# Altium PCB RFID_DACS-01.PcbDoc (part 1 of 2) (continued)
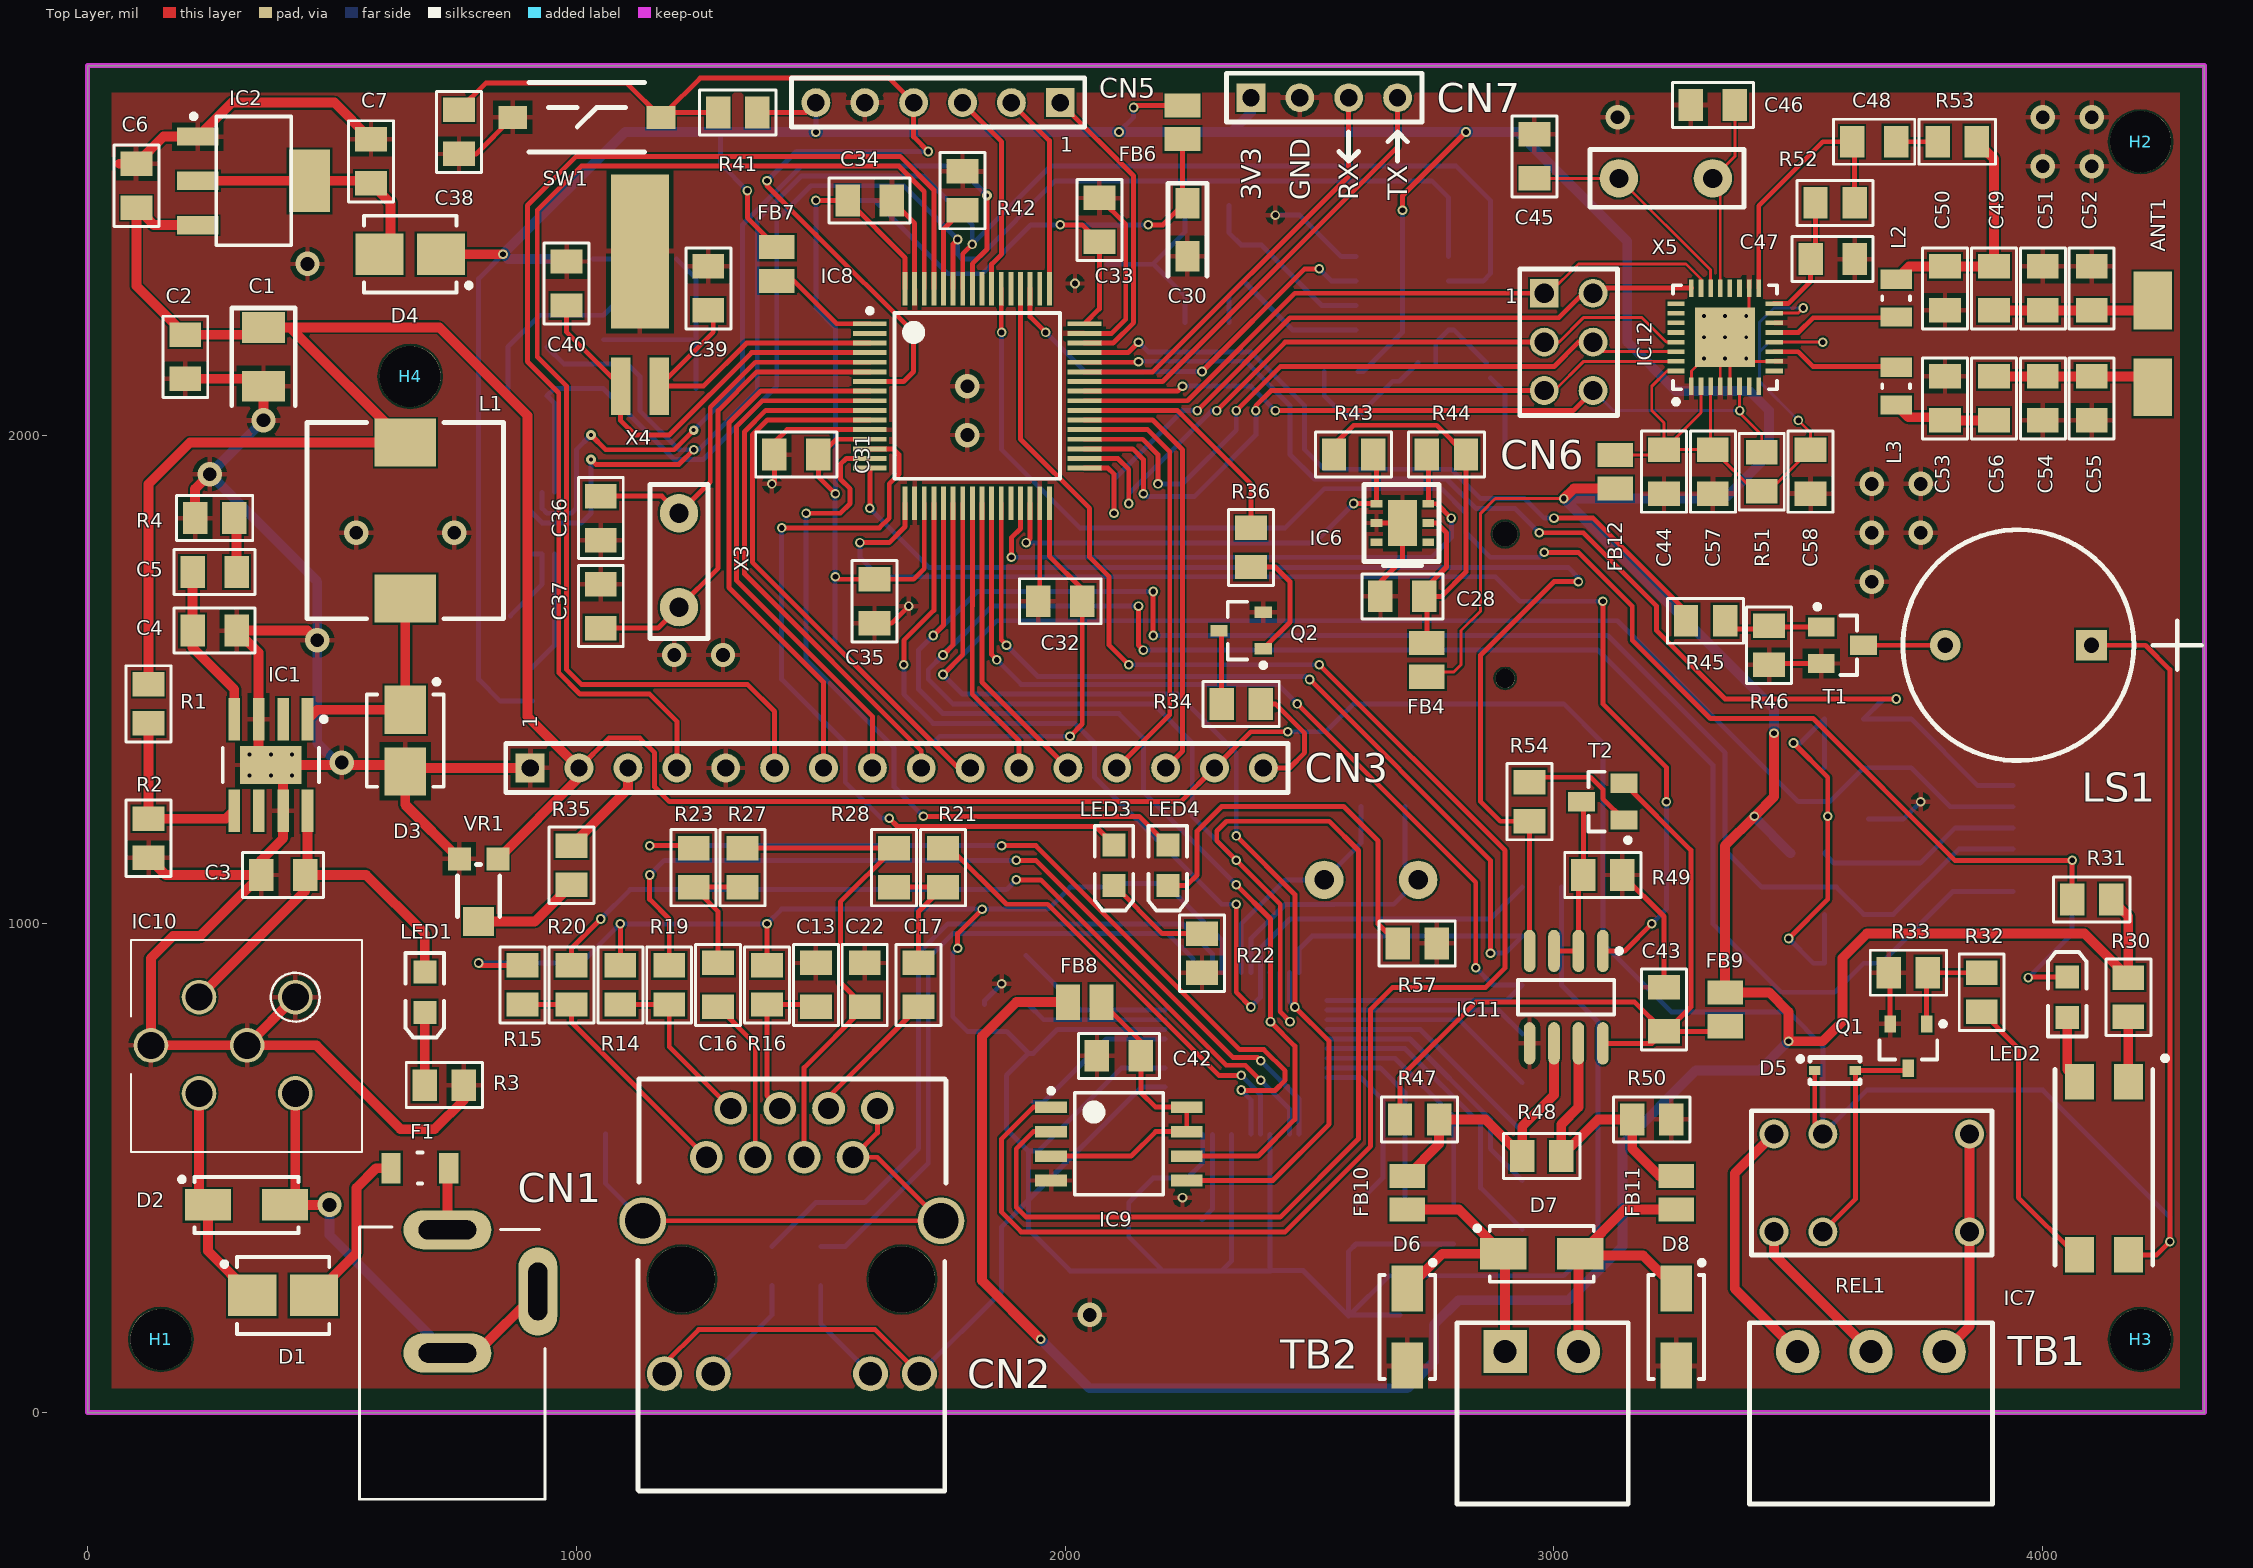
[diagram p0: Top Layer view]
## Components (designator, comment, footprint, x,y, rotation, side; value= is the part's Value field where it differs from the comment) (continued)
R44 "RES" RESC2013X65N_EIA0805 2780,1960 r0 top
R45 "RES" RESC2013X65N_EIA0805 3310,1620 r0 top
R46 "RES" RESC2013X65N_EIA0805 3440,1570 r90 top
R47 "RES" RESC2013X65N_EIA0805 2725,600 r0 top
R48 "RES" RESC2013X65N_EIA0805 2975,525 r0 top
R49 "RES" RESC2013X65N_EIA0805 3100,1100 r0 top
R50 "RES" RESC2013X65N_EIA0805 3200,600 r0 top
R51 "RES" RESC2013X65N_EIA0805 3425,1925 r90 top
R52 "RES" RESC2013X65N_EIA0805 3575,2475 r180 top
R53 "RES" RESC2013X65N_EIA0805 3825,2600 r180 top
R54 "RES" RESC2013X65N_EIA0805 2950,1250 r90 top
R55 "RES" RESC2013X65N_EIA0805 900,2180 r0 bottom
R56 "RES" RESC2013X65N_EIA0805 900,2080 r0 bottom
R57 "RES" RESC2013X65N_EIA0805 2720,960 r0 top
REL1 "HK23F-DC5V-SHG" HUIKE_HK23F-DC5V-SHG 3650,470 r0 top
SB1 "SOLDER_BRIDGE" SOLDER_BRIDGE_0805 2740,2140 r0 bottom
SB2 "SOLDER_BRIDGE" SOLDER_BRIDGE_0805 2870,2130 r270 bottom
SW1 "SWITCH_TACTILE_2PIN" [C&K]RS-282G05A3-SM_RT 1021.57,2650 r180 top
T1 "BC817-40" SOT95P240X120-3N_SOT-23-3 3590,1570 r0 top
T2 "MMBT3906" SOT95P240X120-3N_SOT-23-3 3100,1250 r180 top
TB1 "TB3_EURO" TB3_EURO 3498.43,125 r0 top
TB2 "TB2_EURO" TB2_EURO 2900,125 r0 top
VR1 "POT" TRIMMER_SMD 800,1070 r180 top
X1 "CRYSTAL" HC-49/US 2722.13,1090 r180 bottom
X2 "CRYSTAL_32K" 32.768_DIP 2360,2349.37 r270 bottom
X3 "CRYSTAL" HC-49/US 1210,1840 r270 top
X4 "CRYSTAL_32K" 32.768_DIP 1130,2100 r0 top
X5 "CRYSTAL" HC-49/US 3132.87,2525 r0 top

## Footprints (in the part's own frame and the unit in brackets; to place one, negate y for a bottom-side part, rotate by r counter-clockwise, add the part's x,y. Pads: shape width x height; smd on the part's side, far side on the other; paste and mask are expansions set on the pad)
32.768_DIP [mm]
  rect 1x3 smd: 1(-1,0) 2(1,0)
  rect 3x8 smd: 3(0,7)
  body extent -1.5,-0.01 1.5,11.01, height 3
[C&K]RS-282G05A3-SM_RT [mm]
  rect 1.5x1.2 smd: 1(-3.85,0) 2(3.85,0)
  silkscreen extent -3,-1.8 3,1.8, body extent -4,-1.75 4,1.75, height 5
BUZZER_12MM [mm]
  rect 1.6x1.6 hole 0.8: 1(-3.8,0)
  round 1.6 hole 0.8: 2(3.8,0)
  silkscreen extent -9.53,-6 6,6, body extent -6,-6 6,6, height 9.01
CAPC2012X100N_EIA0805 [mil]
  rect 50x65 smd: 1(-45,0) 2(45,0)
  silkscreen extent -83,-46 83,46, body extent -39,-25 39,25, height 31
CAPC3216X125N_EIA1206 [mil]
  rect 60x80 smd: 1(-70,0) 2(70,0)
  silkscreen extent -113,-53 113,53, body extent -63,-31 63,31, height 39
CAPMP2013X12N_EIA-0805_CASE-R [mm] "Molded Capacitor, 2-Leads, Body 2.05x1.30mm, IPC Medium Density"
  rect 1.3x1.05 smd: 1(-0.95,0) 2(0.95,0)
  silkscreen extent -1.55,0.77 -1.45,0.87, body extent -1.12,-0.66 1.13,0.69, height 1.35
CAPMP3216X16N_EIA-1206_CASE-A [mm] "Molded Capacitor, 2-Leads, Body 3.20x1.60mm, IPC Medium Density"
  rect 1.6x1.25 smd: 1(-1.375,0) 2(1.375,0)
  silkscreen extent -2.41,-1.02 2.41,1.02, body extent -1.6,-0.8 1.6,0.8, height 1.6
CAPMP3528X19N_EIA-1210_CASE-B [mm] "Molded Capacitor, 2-Leads, Body 3.50x2.80mm, IPC Medium Density"
  rect 1.6x2.25 smd: 1(-1.525,0) 2(1.525,0)
  silkscreen extent -2.54,-1.65 2.54,1.65, body extent -1.75,-1.4 1.75,1.4, height 1.9
COIL_ANTENNA_PAD [mm]
  rect 3x2 smd: 1(0,0) 2(4.5,0)
DC_JACK [mil]
  oval 180x80 hole 39.37 slot 118.11 at 0 deg: 1(0,0) 3(0,251.97)
  oval 80x180 hole 39.37 slot 118.11 at 90 deg: 2(-185.04,125.98)
  silkscreen extent -200,-6 180,551, body extent -190,-28 178,574, height 512
DFN-6 [mm]
  rect 1.3x0.4 smd: 1(-1.6,0.65) 2(-1.6,0) 3(-1.6,-0.65) 4(1.6,-0.65) 5(1.6,0) 6(1.6,0.65)
  silkscreen extent -1.37,-1 0.7,1.62, body extent -1.05,-1 1.05,1, height 0.81
DIOM4436X24N_DO-214AA_SMB [mm] "Molded Diode, 2-Leads, Body 4.38x3.62mm, IPC Medium Density"
  rect 2.5x2.15 smd: 1(-1.6,0) 2(1.6,0)
  silkscreen extent -3.17,-2 2.4,2, body extent -2.75,-1.95 2.75,1.95, height 2.45
DIOM5126X26N_DO-214AC_SMA [mm] "Molded Diode, 2-Leads, Body 5.07x2.57mm, IPC Medium Density"
  rect 2.4x1.64 smd: 1(-2,0) 2(2,0)
  silkscreen extent -3.47,-1.45 2.7,1.45, body extent -2.75,-1.4 2.75,1.4, height 2.6
FILC2012X100N_EIA0805 [mm] "Chip Inductor, 2-Leads, Body 2.0x1.3mm, IPC Medium Density"
  rect 1.25x1.85 smd: 1(-0.875,0) 2(0.875,0)
  body extent -1,-0.63 1,0.63, height 0.85
FUSEC3216X16N [mm] "Chip Inductor, 2-Leads, Body 2.10x1.50mm, IPC Medium Density"
  rect 1x1.6 smd: 1(-1.5,0) 2(1.5,0)
  silkscreen extent -0.13,-0.81 0.13,0.79, body extent -1.6,-0.83 1.6,0.83, height 0.57
HANRUN_HR911105A [mm]
  round 3.45 hole 3.45: 0(-5.715,0) 0(5.715,0)
  round 1.7 hole 1.1: 1(4.445,-6.35) 2(3.175,-8.89) 3(1.905,-6.35) 4(0.635,-8.89) 5(-0.635,-6.35) 6(-1.905,-8.89) 7(-3.175,-6.35) 8(-4.445,-8.89)
  round 1.82 hole 1.22: 9(6.625,4.9) 10(4.085,4.9) 11(-4.085,4.9) 12(-6.625,4.9)
  round 2.43 hole 1.83: 13(7.745,-3.05) 14(-7.745,-3.05)
  silkscreen extent -8,-10.41 8,10.99, body extent -7.94,-10.41 7.94,10.99, height 13.51
HC-49/US [mm]
  round 2 hole 1: 1(0,0) 2(4.88,0)
  silkscreen extent -1.5,-1.5 6.5,1.5, body extent -2.99,-2.24 7.99,2.25, height 3.6
HDRFV4W70P254_1X4_1016X254X1118P [mm]
  rect 1.5x1.5 hole 0.9: 1(0,0)
  round 1.5 hole 0.9: 2(2.54,0) 3(5.08,0) 4(7.62,0)
  silkscreen extent -1.27,-1.27 8.89,1.27, body extent -1.27,-1.27 8.89,1.27, height 6.02
HDRFV6W70P254_1X6_1524X254X1118P [mm]
  rect 1.5x1.5 hole 0.9: 1(0,0)
  round 1.5 hole 0.9: 2(2.54,0) 3(5.08,0) 4(7.62,0) 5(10.16,0) 6(12.7,0)
  silkscreen extent -1.27,-1.27 13.97,1.27, body extent -1.27,-1.27 13.97,1.27, height 6.02
HDRFV16W70P254_1X16_4064X254X1118P [mm]
  rect 1.5x1.5 hole 0.9: 1(0,0)
  round 1.5 hole 0.9: 2(2.54,0) 3(5.08,0) 4(7.62,0) 5(10.16,0) 6(12.7,0) 7(15.24,0) 8(17.78,0) 9(20.32,0) 10(22.86,0) 11(25.4,0) 12(27.94,0) 13(30.48,0) 14(33.02,0) 15(35.56,0) 16(38.1,0)
  silkscreen extent -1.27,-1.27 39.37,1.27, body extent -1.27,-1.27 39.37,1.27, height 6.02
HDRV6W64P254_2X3_762X508X600P [mm]
  rect 1.5x1.5 hole 1: 1(0,0)
  round 1.5 hole 1: 2(2.54,0) 3(0,-2.54) 4(2.54,-2.54) 5(0,-5.055) 6(2.54,-5.055)
  silkscreen extent -1.27,-6.35 3.81,1.27, body extent -1.27,-6.35 3.81,1.22, height 8.54
HOLE_125MIL [mil]
  round 125 hole 125: 1(0,0)
HUIKE_HK23F-DC5V-SHG [mm]
  round 1.5 hole 1: 1(5.08,2.54) 2(-2.54,2.54) 3(-5.08,2.54) 4(-5.08,-2.54) 5(-2.54,-2.54) 6(5.08,-2.54)
  silkscreen extent -6.25,-3.75 6.25,3.75, body extent -6.2,-3.7 6.2,3.7, height 10
INDC2115X13N_EIA0805 [mm] "Chip Inductor, 2-Leads, Body 2.10x1.50mm, IPC Medium Density"
  rect 1x1.64 smd: 1(-0.98,0) 2(0.98,0)
  silkscreen extent -0.1,-0.72 0.1,0.72, body extent -1,-0.66 1,0.64, height 1.21
LEDC2012X70N_EIA0805_GREEN [mm] "SM LED; 2 Flat Leads"
  rect 1.2x1.2 smd: 1(-1.05,0) 2(1.05,0)
  silkscreen extent -2.35,-1 2.05,1, body extent -1.01,-0.62 1.01,0.63, height 1.1
LEDC2012X70N_EIA0805_RED [mm] "SM LED; 2 Flat Leads"
  rect 1.2x1.2 smd: 1(-1.05,0) 2(1.05,0)
  silkscreen extent -2.35,-1 2.05,1, body extent -1.01,-0.62 1.01,0.62, height 1.1
MOLEX_0472192001 [mm]
  rect 0.8x1.5 smd: 1(-3.205,1.55) 2(-2.105,1.55) 3(-1.005,1.55) 4(0.095,1.55) 5(1.195,1.55) 6(2.295,1.55) 7(3.395,1.55) 8(4.495,1.55)
  rect 1.45x2 smd: 9(-6.875,4.15) 9(6.875,4.15) 10(-6.875,-4.15) 10(6.875,-4.15)
  silkscreen extent -7.37,-7.81 7.26,6.69, body extent -7.34,-7.81 7.26,6.69, height 2.26
MPD_BC501SM [mm]
  rect 3.54x2.6 smd: 1(8.23,0)
  rect 3.66x2.6 smd: 2(-7.57,0)
  round 1 hole 1: ""(-3.5,0)
  round 1.3 hole 1.3: ""(4,0)
  silkscreen extent -10.92,-7.5 11.68,7.5, body extent -8.89,-7.37 9.91,7.38, height 4.26
MURATA_BNX002-01 [mm]
  round 1.8 hole 1.4: 1(2.46,2.46) 2(2.46,-2.54) 3(-2.54,2.46) 4(-2.54,-2.54) 5(4.96,-0.04) 6(-0.04,-0.04)
  silkscreen extent -6,-5.5 6,5.5, body extent -6,-5.5 6,5.5, height 12.5
QFN50P500X500X100_HS-33N_[NXP]SOT617-1 [mm] "QFN, 32-Leads, Body 5.00x5.00mm, Pitch 0.50mm, Thermal Pad 3.10x3.10mm, IPC Medium Density"
  rect 0.9x0.24 smd: 1(-2.55,1.75) 2(-2.55,1.25) 3(-2.55,0.75) 4(-2.55,0.25) 5(-2.55,-0.25) 6(-2.55,-0.75) 7(-2.55,-1.25) 8(-2.55,-1.75) 17(2.55,-1.75) 18(2.55,-1.25) 19(2.55,-0.75) 20(2.55,-0.25) 21(2.55,0.25) 22(2.55,0.75) 23(2.55,1.25) 24(2.55,1.75)
  rect 0.24x0.9 smd: 9(-1.75,-2.55) 10(-1.25,-2.55) 11(-0.75,-2.55) 12(-0.25,-2.55) 13(0.25,-2.55) 14(0.75,-2.55) 15(1.25,-2.55) 16(1.75,-2.55) 25(1.75,2.55) 26(1.25,2.55) 27(0.75,2.55) 28(0.25,2.55) 29(-0.25,2.55) 30(-0.75,2.55) 31(-1.25,2.55) 32(-1.75,2.55)
  rect 3.1x3.1 smd: 33(0,0)
  silkscreen extent -3.47,-2.7 2.7,2.7, body extent -2.52,-2.51 2.5,2.51, height 0.8
QFP50P900X900X160-48N [mm] "TSQFP, 48-Leads, Body 7.00x7.00mm, Pitch 0.50mm, IPC Medium Density"
  rect 1.4x0.3 smd: 1(-4.2,2.75) 2(-4.2,2.25) 3(-4.2,1.75) 4(-4.2,1.25) 5(-4.2,0.75) 6(-4.2,0.25) 7(-4.2,-0.25) 8(-4.2,-0.75) 9(-4.2,-1.25) 10(-4.2,-1.75) 11(-4.2,-2.25) 12(-4.2,-2.75) 25(4.2,-2.75) 26(4.2,-2.25) 27(4.2,-1.75) 28(4.2,-1.25) 29(4.2,-0.75) 30(4.2,-0.25) 31(4.2,0.25) 32(4.2,0.75) 33(4.2,1.25) 34(4.2,1.75) 35(4.2,2.25) 36(4.2,2.75)
  rect 0.3x1.4 smd: 13(-2.75,-4.2) 14(-2.25,-4.2) 15(-1.75,-4.2) 16(-1.25,-4.2) 17(-0.75,-4.2) 18(-0.25,-4.2) 19(0.25,-4.2) 20(0.75,-4.2) 21(1.25,-4.2) 22(1.75,-4.2) 23(2.25,-4.2) 24(2.75,-4.2) 37(2.75,4.2) 38(2.25,4.2) 39(1.75,4.2) 40(1.25,4.2) 41(0.75,4.2) 42(0.25,4.2) 43(-0.25,4.2) 44(-0.75,4.2) 45(-1.25,4.2) 46(-1.75,4.2) 47(-2.25,4.2) 48(-2.75,4.2)
  silkscreen extent -4.32,-3.1 3.1,3.57, body extent -4.5,-4.5 4.5,4.5, height 1.6
QFP50P1200X1200X160-64N [mm] "TSQFP, 64-Leads, Body 10.00x10.00mm, Pitch 0.50mm, IPC Medium Density"
  rect 1.75x0.25 smd: 1(-5.575,3.75) 2(-5.575,3.25) 3(-5.575,2.75) 4(-5.575,2.25) 5(-5.575,1.75) 6(-5.575,1.25) 7(-5.575,0.75) 8(-5.575,0.25) 9(-5.575,-0.25) 10(-5.575,-0.75) 11(-5.575,-1.25) 12(-5.575,-1.75) 13(-5.575,-2.25) 14(-5.575,-2.75) 15(-5.575,-3.25) 16(-5.575,-3.75) 33(5.575,-3.75) 34(5.575,-3.25) 35(5.575,-2.75) 36(5.575,-2.25) 37(5.575,-1.75) 38(5.575,-1.25) 39(5.575,-0.75) 40(5.575,-0.25) 41(5.575,0.25) 42(5.575,0.75) 43(5.575,1.25) 44(5.575,1.75) 45(5.575,2.25) 46(5.575,2.75) 47(5.575,3.25) 48(5.575,3.75)
  rect 0.25x1.75 smd: 17(-3.75,-5.575) 18(-3.25,-5.575) 19(-2.75,-5.575) 20(-2.25,-5.575) 21(-1.75,-5.575) 22(-1.25,-5.575) 23(-0.75,-5.575) 24(-0.25,-5.575) 25(0.25,-5.575) 26(0.75,-5.575) 27(1.25,-5.575) 28(1.75,-5.575) 29(2.25,-5.575) 30(2.75,-5.575) 31(3.25,-5.575) 32(3.75,-5.575) 49(3.75,5.575) 50(3.25,5.575) 51(2.75,5.575) 52(2.25,5.575) 53(1.75,5.575) 54(1.25,5.575) 55(0.75,5.575) 56(0.25,5.575) 57(-0.25,5.575) 58(-0.75,5.575) 59(-1.25,5.575) 60(-1.75,5.575) 61(-2.25,5.575) 62(-2.75,5.575) 63(-3.25,5.575) 64(-3.75,5.575)
  silkscreen extent -5.7,-4.3 4.3,4.55, body extent -6,-6 6,6, height 1.7
RESC2013X65N_EIA0805 [mil]
  rect 50x65 smd: 1(-40,0) 2(40,0)
  silkscreen extent -78,-46 78,46, body extent -39,-25 39,25, height 31
SHT21 [mm]
  rect 0.6x0.4 smd: 1(1.35,-1) 2(1.35,0) 3(1.35,1) 4(-1.35,1) 5(-1.35,0) 6(-1.35,-1)
  rect 1.5x2.4 smd: 7(0,0)
  silkscreen extent -1.9,-2 2,2.2, body extent -1.51,-1.5 1.51,1.5, height 1.13
SMD-4 [mm]
  rect 1.85x1.5 smd: 1(-4.5,1.27) 2(-4.5,-1.27) 3(4.5,-1.27) 4(4.5,1.27)
  silkscreen extent -5.84,-2.54 5.03,3.3, body extent -5.05,-2.29 4.95,2.29, height 3.86
SOD323 [mm]
  rect 0.59x0.45 smd: 1(-1.055,0) 2(1.055,0)
  silkscreen extent -1.92,-0.67 1.3,0.72, body extent -1.3,-0.67 1.3,0.68, height 1.1
SOIC127P600X175-8N [mm] "SOIC, 8-Leads, Body 4,90x3,90mm, Pitch 1,27mm, IPC Medium Density"
  oval 2.2x0.6 smd: 1(-2.4,1.905) 2(-2.4,0.635) 3(-2.4,-0.635) 4(-2.4,-1.905) 5(2.4,-1.905) 6(2.4,-0.635) 7(2.4,0.635) 8(2.4,1.905)
  silkscreen extent -2.53,-2.5 0.9,2.88, body extent -3.03,-2.5 3.03,2.5, height 1.9
SOIC127P780X216-8N [mm] "SOIC, 8-Leads, Body 5.23x5.23mm, Pitch 1.27mm, IPC Medium Density"
  rect 1.65x0.6 smd: 1(-3.525,1.905) 2(-3.525,0.635) 3(-3.525,-0.635) 4(-3.525,-1.905) 5(3.525,-1.905) 6(3.525,-0.635) 7(3.525,0.635) 8(3.525,1.905)
  silkscreen extent -3.65,-2.65 2.3,2.88, body extent -4.1,-2.7 4.1,2.7, height 2.16
SOLDER_BRIDGE_0805 [mil]
  oct 15x30 smd rot 45: 1(-18,-8) 2(18,7)
  oct 15.75x30 smd rot 135: 1(-18,8)
  rect 26x26 smd rot 45: 2(13,0)
  oct 15x30 smd rot 135: 2(18,-7)
SOP127P600X200_HS-9N [mm] "SOP, 8-Leads, Body 4.90x2.41mm, Pitch 1.27mm, Thermal Pad 3.20x1.95mm, IPC Medium Density"
  rect 2.2x0.6 smd: 1(-2.375,1.905) 2(-2.375,0.635) 3(-2.375,-0.635) 4(-2.375,-1.905) 5(2.375,-1.905) 6(2.375,-0.635) 7(2.375,0.635) 8(2.375,1.905)
  rect 1.95x3.2 smd: 9(0,0)
  silkscreen extent -2.5,-2.5 0.88,2.88, body extent -3,-2.5 3,2.5, height 2
SOT95P230X110-3N_SOT-23 [mm] "SOT23, 3-Leads, Body 2.90x2.30mm, Pitch 0.95mm, IPC Medium Density"
  rect 0.9x0.6 smd: 1(-1.15,0.95) 2(-1.15,-0.95) 3(1.15,0)
  silkscreen extent -1.27,-1.5 0.7,1.93, body extent -1.17,-1.46 1.17,1.46, height 1
SOT95P240X120-3N_SOT-23-3 [mm] "SOT23, 3-Leads, Body 2.92x2.40mm, Pitch 0.95mm, IPC Medium Density"
  rect 1.4x1 smd: 1(-1.1,0.95) 2(-1.1,-0.95) 3(1.1,0)
  silkscreen extent -1.42,-1.55 0.75,2.12, body extent -1.35,-1.56 1.35,1.56, height 1.2
SOT230P700X180-4N_[TEXAS]R-PDSO-G4 [mm] "SOT223, 4-Leads, Body 6.50x7.00mm (avg), Pitch 2.30mm, IPC Medium Density"
  rect 2.15x0.95 smd: 1(-2.9,2.3) 2(-2.9,0) 3(-2.9,-2.3)
  rect 2.15x3.25 smd: 4(2.9,0)
  silkscreen extent -3.25,-3.35 1.95,3.47, body extent -3.54,-3.25 3.54,3.25, height 1.65
TB2_EURO [mm]
  rect 2.25x2.25 hole 1.2: 1(0,0)
  round 2.25 hole 1.2: 2(3.81,0)
  silkscreen extent -2.5,-7.93 6.4,1.5, body extent -2.5,-7.93 6.31,1.27, height 7.61
TB3_EURO [mm]
  round 2.25 hole 1.2: 1(0,0) 2(3.81,0) 3(7.62,0)
  silkscreen extent -2.5,-7.93 10.12,1.5, body extent -2.5,-7.93 10.12,1.27, height 7.61
TDK_SLF10145T-100M2R5-PF [mm]
  rect 2.5x3.2 smd: 1(-4.05,0) 2(4.05,0)
  silkscreen extent -5.1,-5.1 5.1,5.1, body extent -5.2,-5 5.2,5.1, height 4.61
TRIMMER_SMD [mm]
  rect 1.2x1.2 smd: 1(-1,-1.6) 3(1,-1.6)
  rect 1.6x1.5 smd: 2(0,1.65)
  silkscreen extent -1.1,-1.3 1.1,1.4, body extent -1.1,-1.3 1.1,1.45, height 1.04

## Part data
ANT1: library part SMSC00008, "Coil Antenna Pad"
BT1: library part SBAT00011, "HOLDER COIN CELL FOR CR1220 SMD"
C1: library part SCAP01400007, "CAP TANT 100UF 6.3V 20% 1210"
C2 C9 C10 C11 C12 C19 C24 C25 C28 C29 C31 C32 C33 C34 C35 C38 C41 C42 C43 C44 C47 C48 C57 C58 C59 C60: library part SCAP00300093, "CAP CER 0.1UF 25V X7R 0805"
C3: library part SCAP00300106, "CAP CER 10UF 10V X5R 0805"
C4: library part SCAP00300066, "CAP CER 220PF 50V X7R 0805"
C5 C13: library part SCAP00300087, "CAP CER 0.022UF 50V X7R 0805"
C6 C7: library part SCAP00300099, "CAP CER 1UF 10V X7R 0805"
C8 C18: library part SCAP01400004, "CAP TANT 10UF 6.3V 10% 0805"
C14 C15: library part SCAP00300040, "CAP CER 18PF 50V NP0 0805"
C16 C17: library part SCAP00300083, "CAP CER 6800PF 50V X7R 0805"
C20: library part SCAP00410036, "CAP CER 1000PF 2KV X7R 1206"
C21 C30: library part SCAP01400003, "CAP TANT 4.7UF 16V 10% 1206"
C22 C23: library part SCAP00300085, "CAP CER 10000PF 50V X7R 0805"
C26 C27: library part SCAP00300025, "CAP CER 6PF 50V NP0 0805"
C36 C37: library part SCAP00300041, "CAP CER 20PF 50V NP0 0805"
C39 C40: library part SCAP00300030, "CAP CER 8PF 50V NP0 0805"
C45 C46 C49 C56: library part SCAP00300038, "CAP CER 15PF 50V NP0 0805"
C50 C53: library part SCAP00300050, "CAP CER 47PF 50V NP0 0805"
C51 C54: library part SCAP00300064, "CAP CER 180PF 50V NP0 0805"
C52 C55: library part SCAP00300034, "CAP CER 10PF 50V NP0 0805"
CN1: library part SCON00027, "CONN POWER JACK MALE 2.5MM CLSD"
CN2: library part SCON00127, "CONN MAGJACK 1PORT 100 BASE-T"
CN3: library part SCON00136, "CONN HEADER FEMALE 16POS.1\" TIN"
CN4: library part SCON00095, "CONN MICRO SD CARD HINGED TYPE"
CN5: library part SCON00124, "CONN ARDUINO HEADER .0100\" 6POS"
CN6: library part SCON00128, "CONN HEADER FMALE 6PS .1\" DL TIN"
CN7: library part SCON00140, "CONN HEADER 4 POS 2.54"
D1 D4: library part SSEM00019, "DIODE SCHOTTKY 5A 40V SMA"
D2: library part SCP00004, "TVS DIODE 5VWM 13.4VC DO214AC"
D3: library part SSEM00020, "DIODE SCHOTTKY 40V 3A SMB"
D5: library part SSEM00021, "DIODE GEN PURP 75V 150MA SOD323"
D6 D8: library part SCP00005, "TVS DIODE 12VWM 19.9VC SMA"
D7: library part SCP00006, "TVS DIODE 12VWM 19.9VC SMA"
F1: library part SCP00008, "FUSE RESETTABLE 2.0A HOLD SMD"
FB1 FB2 FB3 FB4 FB5 FB6 FB7 FB8 FB9 FB10 FB11 FB12 FB13: library part SFIL00005, "FERRITE CHIP POWER 120 OHM SMD"
H1 H2 H3 H4: library part SMSC00005, "Holes"
IC1: library part SIC00116, "IC REG BUCK ADJ 2A 8SOIC"
IC2: library part SIC00137, "IC REG LDO 3.3V 1A SOT223"
IC3: library part SIC00138, "IC CTLR 3-1 ETH TCP/IP 48LQFP"
IC4: library part SMEM00019, "IC EEPROM 256KBIT 1MHZ 8SOIC"
IC5: library part SIC00132, "IC RTC CLK/CALENDAR I2C 8-SOIC"
IC6: library part SSEN00014, "HUMIDITY AND TEMPERATURE SENSOR"
IC7: library part SISO00004, "OPTOISOLTR 5KV TRANSISTOR 4-SMD"
IC8: library part SIC00045, "IC MCU 32BIT 256KB FLASH 64LQFP"
IC9: library part SMEM00015, "IC FLASH 16MBIT 104MHZ 8SOIC"
IC10: library part SFIL00006, "FILTER LC TH"
IC11: library part SIC00035, "IC TXRX RS485/422 10MBPS 8SOIC"
IC12: library part SRF000006, "IC READER 13.56MHZ 32-HVQFN"
IC13: library part SSEN00013, "IC LIGHT TO DGTL CONV 6-DFN"
L1: library part SIND00006, "FIXED IND 10UH 2.5A 43.7 MOHM"
L2 L3: library part SIND00007, "FIXED IND 2.2UH 1.3A 80 MOHM SMD"
LED1: library part SOPT00002, "LED GREEN CLEAR THIN 0805 SMD"
LED2 LED3 LED4: library part SOPT00004, "LED SUPER RED CLR THIN 0805 SMD"
LS1: library part SAUD00001, "AUDIO MAGNETIC INDICATOR 4-7V TH"
Q1 Q2: library part STRANS00034, "TRANS NPN 45V 0.5A SOT23"
R1: library part SRES03010086, "RES SMD 3.3K OHM 1% 1/8W 0805"
R2 R3 R30 R32 R35: library part SRES03010074, "RES SMD 1K OHM 1% 1/8W 0805"
R4 R36 R43 R44: library part SRES03010090, "RES SMD 4.7K OHM 1% 1/8W 0805"
R5 R6 R7 R8 R9 R10 R11 R12 R13 R17 R18 R29 R31 R33 R37 R38 R39 R40 R41 R42 R45 R49 R51 R54 R55 R56: library part SRES03010098, "RES SMD 10K OHM 1% 1/8W 0805"
R14 R15 R27 R28: library part SRES03030081, "RES SMD 49.9 OHM 1% 1/8W 0805"
R16: library part SRES03010026, "RES SMD 10 OHM 1% 1/8W 0805"
R19 R20 R21 R23: library part SRES03010038, "RES SMD 33 OHM 1% 1/8W 0805"
R22 R24 R25 R57: library part SRES03010062, "RES SMD 330 OHM 1% 1/8W 0805"
R26: library part SRES03010171, "RES SMD 12.4K OHM 1% 1/8W 0805"
R34: library part SRES03010043, "RES SMD 51 OHM 1% 1/8W 0805"
R46: library part SRES03010114, "RES SMD 47K OHM 1% 1/8W 0805"
R47 R48 R50: library part SRES03010052, "RES SMD 120 OHM 1% 1/8W 0805"
R52: library part SRES03010072, "RES SMD 820 OHM 1% 1/8W 0805"
R53: library part SRES03010091, "RES SMD 5.1K OHM 1% 1/8W 0805"
REL1: library part SREL00004, "RELAY GEN PURPOSE SPDT 3A 5V"
SB1 SB2: library part SMSC00006, "SOLDER BRIDGE 0805"
SW1: library part SSWI00022, "SWITCH TACTILE SPST-NO 0.05A 12V"
T1: library part SSEM00025, "TRANS NPN 45V 0.5A SOT23"
T2: library part SSEM00023, "TRANS PNP 40V 0.2A SOT-23"
TB1: library part SCON00134, "TERM BLOCK HDR 3POS VERT 3.81MM"
TB2: library part SCON00138, "TERM BLOCK HDR 2POS VERT 3.81MM"
VR1: library part SPOT00047, "TRIMMER 10K OHM 0.15W SMD"
X1: library part SCRY00016, "CRYSTAL 25.0000MHZ 18PF T/H"
X2 X4: library part SCRY00009, "CRYSTAL 32.768KHZ 6PF THRU"
X3: library part SCRY00001, "CRYSTAL 8.0000MHZ 20PF T/H"
X5: library part SCRY00017, "CRYSTAL 27.1200MHZ 18PF SMD"

## Via types
v1: diameter 19.68, hole 11.81, Top Layer to Bottom Layer, 114 vias
v2: diameter 50, hole 28, Top Layer to Bottom Layer, 23 vias
v3: diameter 19.68, hole 7.87, Top Layer to Bottom Layer, 19 vias

## Nets (pads, with @x,y where several pads share a name; then routed paths per layer and width w, separated by ;. In a path a pad name is that pad's centre, name@x,y a point inside that pad or via, vN(x,y) a via of type N, cw(c..) or ccw(c..) an arc to the next point about the centre after c; other vN are vias at no path point)
3V3: CN5.6 CN7.1 D4.1 FB1.2 FB2.1 FB3.1 FB4.1 FB5.1 FB6.1 FB7.2 FB8.1 FB9.1 FB12.1 FB13.1 R30.1 R31.1 R41.1 | length 12386
  Top Layer w6: FB4.1@2740,1515.55 2795.55,1515.55 2810,1530 2810,1600 2850,1640 2850,1840 2880,1870 v1(3020,1870)
  Top Layer w10: v1(1350,2500) 1350,2444.45 FB7.2@1410,2384.45 ; R41.1@1370,2660 1470,2660 CN5.6@1490,2680 ; v1(2140,2670) 2144.45,2674.45 FB6.1@2240,2674.45 ; v1(2690,2460) 2690,2490 v1(2820,2620)
  Top Layer w20: D4.1@722.99,2370 v1(850,2370) ; v1(1950,150) 1830,270 1830,770 1900,840 FB8.1@2005.55,840 ; v1(3020,1870) 3040.55,1890.55 FB12.1@3125,1890.55 ; v1(3450,1390) 3450,1260 v1(3410,1220) 3350,1160 FB9.1@3350,859.45 3440.55,859.45 3480,820 v1(3480,760) 3550,760 3590,800 3590,930 3640,980 4085,980 R30.1@4175,890 4175,1015 R31.1@4140,1050
  Bottom Layer w10: v1(850,2370) 800,2320 800,1500 844.45,1455.55 FB13.1@910,1455.55 ; 1295,2620 1295,2555 v1(1350,2500) ; v1(1490,2620) CN5.6@1490,2680 ; v1(2110,2620) 2140,2650 v1(2140,2670) ; FB3.1@2598.9,2130 2610,2130 2690,2210 v1(2690,2460)
  Bottom Layer w20: FB2.1@965.55,2360 860,2360 v1(850,2370) 1100,2620 1295,2620 v1(1490,2620) 2100,2620 ; v1(1950,150) 2050,50 2700,50 2754.45,104.45 FB1.2@2754.45,180 2804.45,230 3030,230 3140,340 3140,550 3290,700 3420,700 v1(3480,760) ; v1(2110,2620) 2340,2620 ; CN7.1@2380,2690 2380,2660 2340,2620 ; v1(3410,1220) 3410,1218.27 FB5.1@3483.94,1144.33 ; v1(3450,1390) 3450,1440 v1(3020,1870) 3350,1870 3440,1960 3440,2050 3400,2090 3250,2090 3150,2190 3150,2395.84 2925.84,2620 v1(2820,2620) 2340,2620
3V3_EEPROM: C24.2 FB2.2 IC4.8 R55.1 R56.1 | length 542.6
  Bottom Layer w10: R56.1@860,2080 R55.1@860,2180 925,2245 IC4.8@1055.51,2245 1115,2304.49 C24.2@1115,2360 FB2.2@1034.45,2360
3V3_LIGHT: C60.1 FB13.2 IC13.1 | length 250.6
  Bottom Layer w10: FB13.2@910,1524.45 955,1569.45 C60.1@955,1630 IC13.1@955,1756.42
3V3_MCU: C30.1 C31.2 C32.2 C33.2 C34.2 C35.2 FB6.2 IC8.13 IC8.19 IC8.32 IC8.48 IC8.64 | length 4142.3
  Top Layer w10: v1(1490,2480) C34.2@1555,2480 1672.36,2362.64 IC8.64@1672.36,2299.49 ; v1(1530,1710) 1535,1705 C35.2@1610,1705 1690,1705 1711.73,1726.73 IC8.19@1711.73,1860.51 ; v1(1530,1880) 1495,1915 1495,1970 1510,1970 1531.42,1991.42 IC8.13@1600.51,1991.42 ; IC8.32@1967.64,1860.51 1967.64,1752.36 2035,1685 C32.2@2035,1660 2035,1408.78 v1(2010,1383.78) ; v1(1990,2430) 2035,2430 C33.2@2070,2395 2070,2258.15 IC8.48@2039.49,2227.64 ; v1(2170,2430) 2200,2430 2244.13,2474.13 C30.1@2250,2474.13 2240,2484.13 FB6.2@2240,2605.55
  Bottom Layer w10: v1(2010,1383.78) 1743.78,1383.78 1730,1370 1529.16,1570.84 1529.16,1879.16 v1(1530,1880) 1530,2220 1490,2260 v1(1490,2480) 1610,2480 1760,2330 1830,2330 1930,2430 v1(1990,2430) v1(2170,2430)
3V3_MFRC522: C44.2 C57.2 C58.2 FB12.2 IC12.2 IC12.3 IC12.12 IC12.15 IC12.32 R51.1 | length 1678.1
  Top Layer w6: FB12.2@3125,1959.45 3214.45,1959.45 C44.2@3225,1970 ; IC12.32@3249.61,2131.1 3231.1,2131.1 3200,2100 3200,2050 3225,2025 C44.2@3225,1970 ; IC12.2@3300.79,2099.61 3300.79,2045.79 C44.2@3225,1970 ; IC12.3@3320.47,2099.61 3320.47,1974.53 C57.2@3325,1970 ; IC12.12@3450.39,2190.16 3549.84,2190.16 v1(3550,2190) ; IC12.15@3450.39,2249.21 3499.21,2249.21 v1(3510,2260) ; v1(3500,2030) 3525,2005 C58.2@3525,1970 3440,1885 R51.1@3425,1885 3410,1885 C57.2@3325,1970 ; C44.2@3225,1970 C57.2@3325,1970
  Bottom Layer w6: v1(3500,2030) 3420,2110 3420,2170 ; v1(3510,2260) 3450,2260 3420,2230 3420,2170 ; v1(3550,2190) 3440,2190 3420,2170
3V3_MICROSD: C29.1 CN4.4 FB5.2 R37.1 R38.1 R39.1 R40.1 | length 1343.2
  Top Layer w10: v1(3480,970) 3560,1050 v1(3560,1220) 3560,1300 v1(3490,1370)
  Bottom Layer w10: v1(3480,970) 3530.67,919.33 R38.1@3553.39,919.33 R40.1@3553.39,1019.33 ; v1(3490,1370) 3504.06,1370 R37.1@3553.39,1419.33 R39.1@3553.39,1319.33 ; v1(3560,1220) 3560,1151.5 FB5.2@3552.83,1144.33 3572.83,1124.33 C29.1@3643.39,1124.33 3749.33,1124.33 3821.26,1196.26 CN4.4@3938.98,1196.26
3V3_RS485: C43.2 FB9.2 IC11.8 R47.1 T2.2 | length 1563.3
  Top Layer w10: R47.1@2685,600 2685,685 2840,840 3165,840 C43.2@3225,780 ; IC11.8@3100,755.51 3200.51,755.51 C43.2@3225,780 ; T2.2@3143.31,1287.4 3280,1150.71 3280,830 C43.2@3230,780 ; FB9.2@3350,790.55 3339.45,780 C43.2@3230,780 ; C43.2@3225,780 C43.2@3230,780
3V3_RTC: C25.2 FB3.2 SB1.1 | length 294.2
  Bottom Layer w10: FB3.2@2530,2130 2530,2080 2570,2040 C25.2@2605,2040 ; C25.2@2610,2050 2670,2110 2684,2110 SB1.1@2722,2148
3V3_SHT21: C28.2 FB4.2 IC6.5 R43.2 R44.2 | length 935.2
  Top Layer w10: R43.2@2550,1960 2550,1980 2590,2020 2760,2020 R44.2@2820,1960 2820,1720 2770,1670 C28.2@2740,1670 ; C28.2@2735,1670 C28.2@2740,1670 ; FB4.2@2740,1594.45 C28.2@2740,1670 ; C28.2@2740,1695 C28.2@2740,1670 ; IC6.5@2743.15,1820 2760,1820 2780,1800 2780,1730 C28.2@2750,1700
3V3_SPI_FLASH: C42.2 FB8.2 IC9.3 IC9.7 IC9.8 | length 672.8
  Top Layer w10: IC9.3@1971.22,525 2135,525 2185,575 IC9.7@2248.78,575 IC9.8@2248.78,625 2185,625 2155,655 C42.2@2155,730 2155,759.45 FB8.2@2074.45,840